# Altium PCB PCB.PcbDoc
Units mil, origin at the board's own origin, x right, y up, seen from the top; angles counter-clockwise.
Board outline 3937.01 x 3937.01 mil, 2 copper layers (Top Layer, Bottom Layer); 58 components, 43 nets, 226 pads, 94 vias.
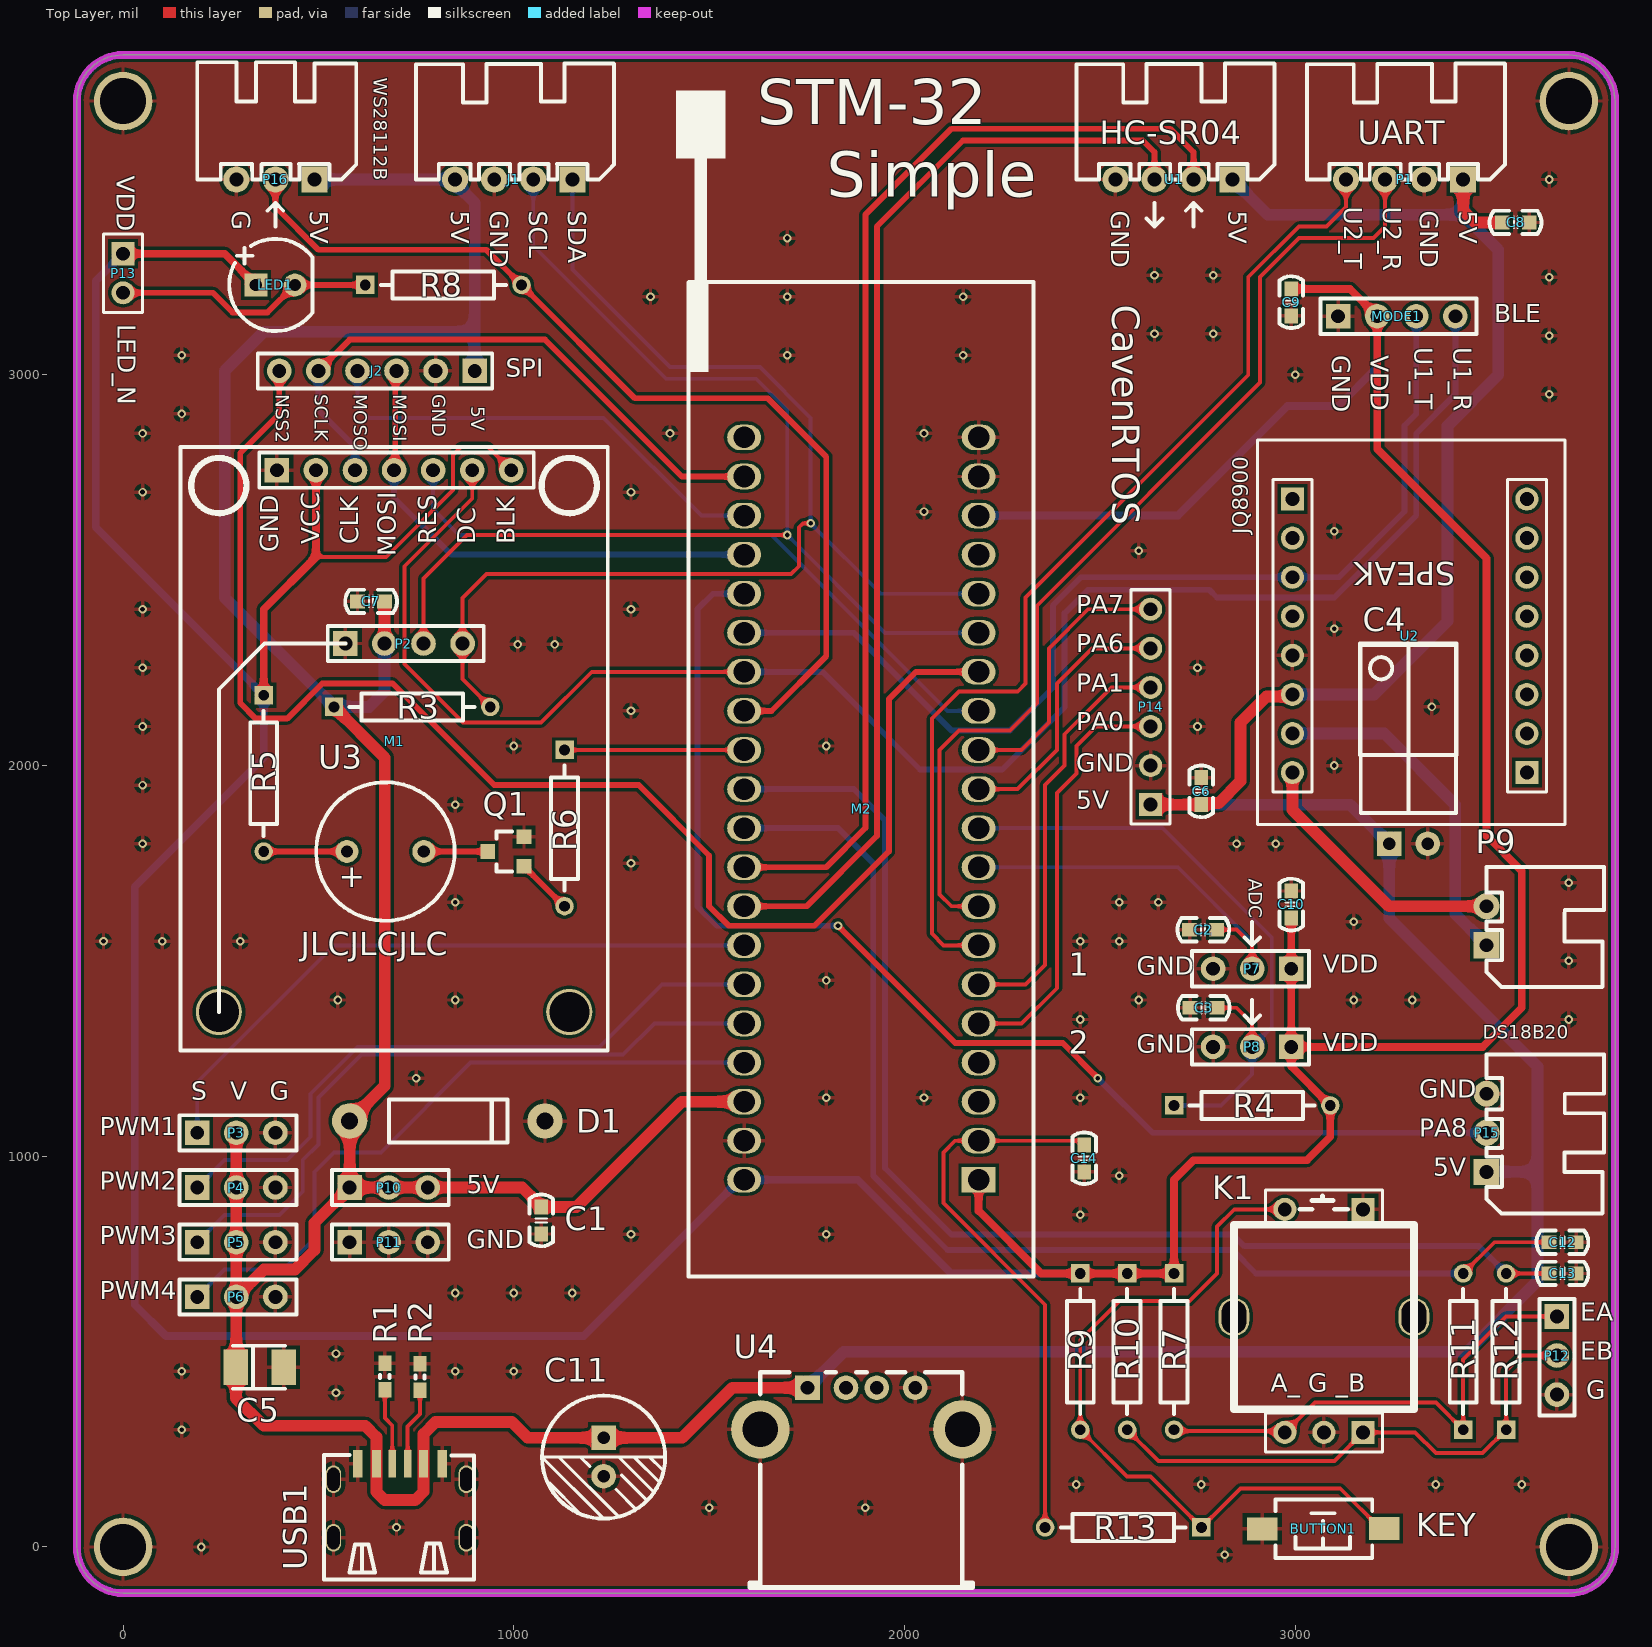
[diagram p0: Top Layer view]
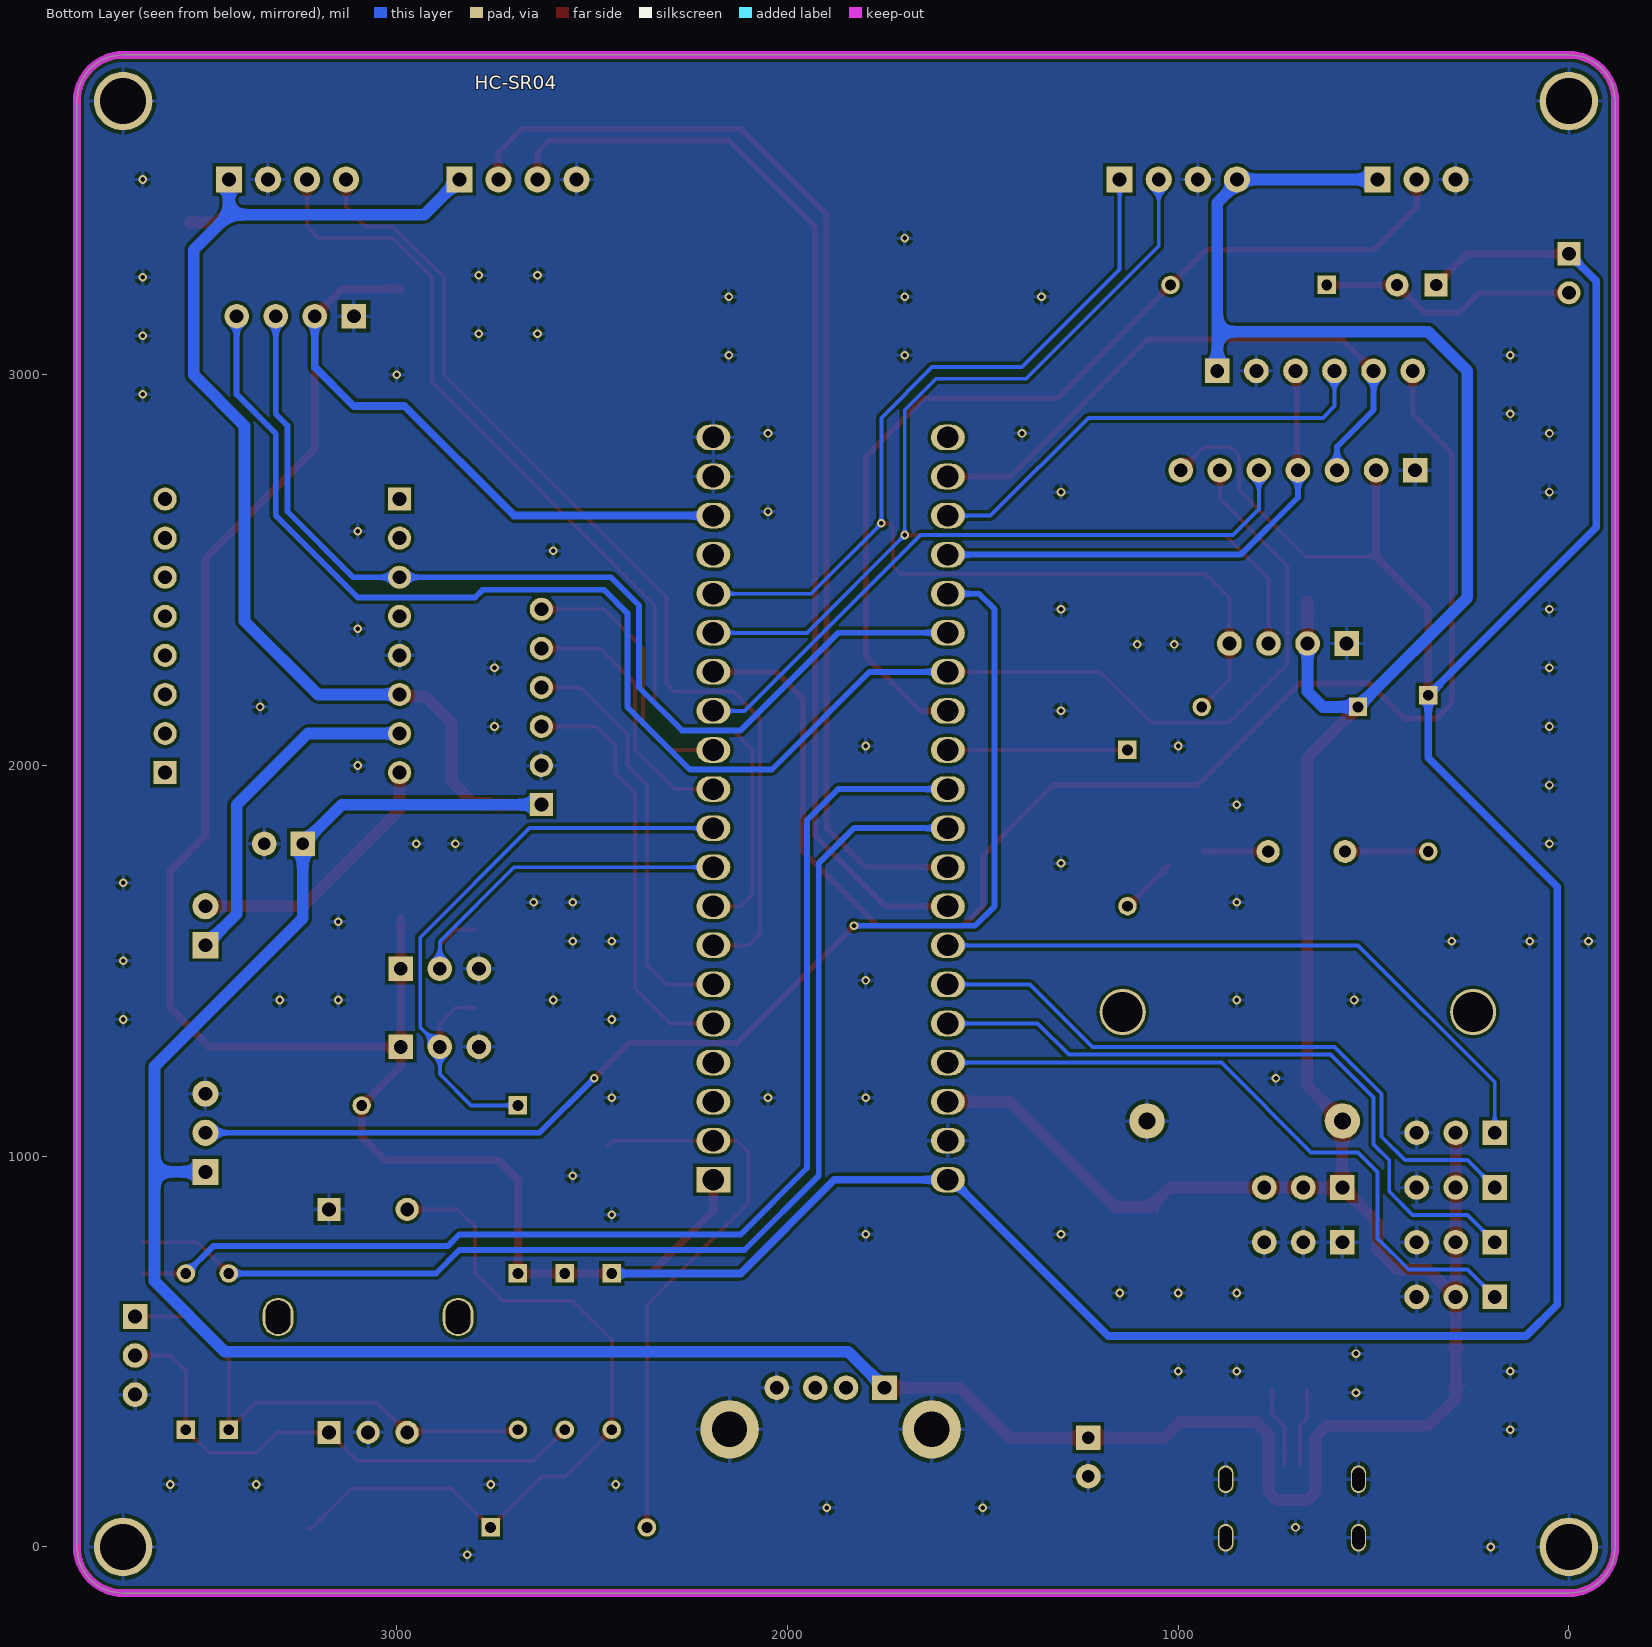
[diagram p1: Bottom Layer view, seen from below]

## Layer stack, top to bottom
Top Solder: solder mask 0.4, Solder Resist, Dk 3.5
Top Layer: signal copper 1.4
Dielectric 1: dielectric 12.6, FR-4, Dk 4.8
Bottom Layer: signal copper 1.4
Bottom Solder: solder mask 0.4, Solder Resist, Dk 3.5

## Board outline
-118.11,0 -118.11,3700.79 cw(c0,3700.79) 0,3818.9 3700.79,3818.9 cw(c3700.79,3700.79) 3818.9,3700.79 3818.9,0 cw(c3700.79,0) 3700.79,-118.11 0,-118.11 cw(c0,0)

## Design rules (kind name [scope] priority, off if disabled: settings)
Clearance [All] p1: gap=8 ignorepadtopadclearanceinfootprint=TRUE
Height [All] p1: minheight=0 maxheight=2000 prefheight=10
HoleSize [All] p1: absolutevalues=TRUE maxlimit=196.85 minlimit=0.98 maxpercent=80.000 minpercent=20.000
HoleToHoleClearance [All] p1: gap=8 allowstackedmicrovias=TRUE
MinimumSolderMaskSliver [All] p1: minsoldermaskwidth=4
PolygonConnect [All] p1: connectstyle=Relief reliefconductorwidth=10 reliefentries=4 polygonreliefangle="90 Angle" airgapwidth=10
RoutingVias [All] p1: holewidth=12 width=20 viastyle="Through Hole" minholewidth=12 minwidth=20 maxholewidth=28 maxwidth=50
SilkToSilkClearance [All] p1: silktosilkclearance=0
SilkToSolderMaskClearance [IsPad] p1: minsilkscreentomaskgap=0 clearancetoexposedcopper=TRUE
SolderMaskExpansion [All] p1: expansion=4 istentingtop=FALSE
Width [All] p1: maxlimit=60 minlimit=8 preferedwidth=10
24 further rules are at their usual default settings.

## Components (designator, comment, footprint, x,y, rotation, side; value= is the part's Value field where it differs from the comment)
BUTTON1 "BUTTON" KEY-A 3070.87,47.24 r180 top
C1 "100NF" CAP_0603 1070,801 r90 top
C2 "100NF" CAP_0603 2730,1580 r0 top
C3 "100NF" CAP_0603 2731,1380 r0 top
C4 "220UF" CAP_PR_2.5_6.3_RA 3290,1800 r0 top
C5 "100UF" CAP_3528_B 350,460 r180 top
C6 "100NF" CAP_0603 2760,1969 r270 top
C7 "100NF" CAP_0603 600,2420 r0 top
C8 "100NF" CAP_0603 3599,3390 r180 top
C9 "100NF" CAP_0603 2990,3151 r90 top
C10 "100NF" CAP_0603 2990,1679 r270 top
C11 "220UF" CAP_PR_2.5_8 1230,230 r270 top
C12 "10NF" CAP_0603 3719,780 r180 top
C13 "10NF" CAP_0603 3719,700 r180 top
C14 "10NF" CAP_0603 2460,960 r90 top
D1 "RL207" Diode_DO15 830,1090 r180 top
J1 "IIC" XH2.54-WI-4P 1000,3500 r180 top
J2 "SPI" "Header 2.54X6" 650,3010 r180 top
K1 "EC11" EC-11 3070.87,590.55 r0 top locked
LED1 "LED_R/G/B/Y" LED_5MM 390,3230 r0 top
M1 "ST7899 1.3寸模块" LCD-1.3_mode 393.7,2755.91 r0 top locked
M2 "STM32F103C8t6最小系统板" STM32F103C8_mode 1889.76,1889.76 r180 top locked
MODE1 "BLE/SPP" "Header 2.54X4" 3260,3150 r0 top
P1 "UART" XH2.54-WI-4P 3280,3500 r180 top
P2 "Header 4H" "Header 2.54X4" 719,2312.3 r0 top
P3 "Header3" "Header 2.54X3" 290,1060 r0 top
P4 "Header3" "Header 2.54X3" 290,920 r0 top
P5 "Header3" "Header 2.54X3" 290,780 r0 top
P6 "Header3" "Header 2.54X3" 290,640 r0 top
P7 "Header 3" "Header 2.54X3" 2890,1480 r180 top
P8 "Header 3" "Header 2.54X3" 2890,1280 r180 top
P9 "OUT" XH2.54-WI-2P 3490,1590 r90 top
P10 "Header 3" "Header 2.54X3" 680,920 r0 top
P11 "Header 3" "Header 2.54X3" 680,780 r0 top
P12 "Header 3" "Header 2.54X3" 3670,490 r270 top
P13 "Header 2" HDR1X2 -0.29,3309.62 r270 top
P14 "Header 6" HDR1X6 2630,1900 r90 top
P15 "Header 3" XH2.54-WI-3P 3490,1060 r90 top
P16 "Header 3" XH2.54-WI-3P 390,3500 r180 top
Q1 "NPN" SOT23_3 980,1780 r0 top
R1 "5.1K" RESC_0603_1 670,436.26 r90 top
R2 "5.1K" RESC_0603_1 760,435 r90 top
R3 "10K" RES_0.4_1/4W 740,2150 r0 top
R4 "XK" RES_0.4_1/4W 2890,1130 r0 top
R5 "10R" RES_0.4_1/4W 360,1980 r270 top
R6 "1K" RES_0.4_1/4W 1130,1840 r270 top
R7 "10K" RES_0.4_1/4W 2690,500 r270 top
R8 "1K" RES_0.4_1/4W 820,3230 r0 top
R9 "10K" RES_0.4_1/4W 2450,500 r270 top
R10 "10K" RES_0.4_1/4W 2570,500 r270 top
R11 "1K" RES_0.4_1/4W 3430,500 r90 top
R12 "1K" RES_0.4_1/4W 3540,500 r90 top
R13 "1K" RES_0.4_1/4W 2560,50 r180 top
U1 "HC-SR04" XH2.54-WI-4P 2690,3500 r180 top
U2 "JQ8900" SpkMo 3290,2480 r0 top
U3 "BEE" BEE-FMQ5mm 573.15,1780 r0 top
U4 "USB-OUT" USB_BA 1889.76,354.33 r270 top locked
USB1 "Type_c" USB-TYPE_6P 708.66,118.11 r0 top locked

## Footprints (in the part's own frame and the unit in brackets; to place one, negate y for a bottom-side part, rotate by r counter-clockwise, add the part's x,y. Pads: shape width x height; smd on the part's side, far side on the other; paste and mask are expansions set on the pad)
BEE-FMQ5mm [mm]
  round 1.5 hole 0.8: 1(0,0) 2(5,0)
  silkscreen extent -2,-4.5 7,4.5, body extent -2,-4.5 7,4.5, height 4.5
CAP_0603 [mil]
  rect 38x35 smd: 1(0,0) 2(69,0)
  silkscreen extent -31,-30 101,30, body extent 4,-16 67,16, height 12
CAP_3528_B [mm]
  rect 1.6x2.3 smd: 1(1.55,0) 2(-1.55,0)
  silkscreen extent -1.65,-1.4 1.75,1.4, body extent -1.75,-1.4 1.75,1.4, height 1.9
CAP_PR_2.5_6.3_RA [mm] "6.3X11"
  rect 1.6x1.6 hole 0.8: 1(-1.25,0)
  round 1.6 hole 0.8: 2(1.25,0)
  silkscreen extent -3.1,2 3.1,12.9, body extent -3.18,-0.3 3.18,13.02, height 6.38
CAP_PR_2.5_8 [mm] "8X12"
  rect 1.6x1.6 hole 0.8: 1(-1.25,0)
  round 1.6 hole 0.8: 2(1.25,0)
  silkscreen extent -4,-4 4,4, body extent -4.08,-4.06 4.05,4.06, height 12.3
Diode_DO15 [mm]
  round 2.3 hole 1.1: 1(6.35,0) 2(-6.35,0)
  silkscreen extent -3.9,-1.4 3.8,1.4, body extent -6.73,-1.76 6.83,1.8, height 3.58
EC-11 [mm]
  oval 2x2.5 hole 2.2 slot 1.6 at 0 deg: 0(-5.782,-0.051) 0(5.918,-0.051)
  round 1.5 hole 0.9: 1(-2.472,-7.551) 2(-2.472,6.949) 5(0.068,-7.551)
  rect 1.5x1.5 hole 0.9: 3(2.608,6.949) 4(2.608,-7.551)
  silkscreen extent -5.78,-8.82 5.92,8.22, body extent -6.92,-7.75 7.07,6.5, height 20.05
HDR1X2 [mm]
  rect 1.5x1.5 hole 0.9: 1(-0.01,0.007)
  round 1.5 hole 0.9: 2(2.53,0.007)
  silkscreen extent -1.28,-1.26 3.8,1.28, body extent -1.28,-1.26 3.8,1.28, height 8.41
HDR1X6 [mm] "Connector; Header; 6 Position"
  rect 1.5x1.5 hole 0.9: 1(0,0)
  round 1.5 hole 0.9: 2(2.54,0) 3(5.08,0) 4(7.62,0) 5(10.16,0) 6(12.7,0)
  silkscreen extent -1.27,-1.27 13.97,1.27, body extent -1.37,-1.27 13.87,1.27, height 8.54
"Header 2.54X3" [mm]
  rect 1.6x1.6 hole 0.9: 1(-2.54,0)
  round 1.6 hole 0.9: 2(0,0) 3(2.54,0)
  silkscreen extent -3.68,-1.14 3.9,1.14, body extent -3.68,-1.23 3.94,1.27, height 8.3
"Header 2.54X4" [mm]
  rect 1.6x1.6 hole 0.9: 1(-3.81,0)
  round 1.6 hole 0.9: 2(-1.27,0) 3(1.27,0) 4(3.81,0)
  silkscreen extent -4.95,-1.14 5.19,1.14, body extent -4.95,-1.23 5.21,1.27, height 8.3
"Header 2.54X6" [mm]
  rect 1.6x1.6 hole 0.9: 1(-6.35,0)
  round 1.6 hole 0.9: 2(-3.81,0) 3(-1.27,0) 4(1.27,0) 5(3.81,0) 6(6.35,0)
  silkscreen extent -7.49,-1.14 7.75,1.14, body extent -7.49,-1.23 7.75,1.27, height 8.3
KEY-A [mm]
  rect 2x1.5 smd: 1(-3.996,0.005) 2(3.937,0.025)
  silkscreen extent -3.21,-1.87 3.09,1.93, body extent -4,-1.85 4,1.65, height 2.59
LCD-1.3_mode [mm]
  round 3 hole 2.6: 0(-3.77,-35.22) 0(19.01,-35.22)
  rect 1.6x1.6 hole 0.9: 1(0,0)
  round 1.6 hole 0.9: 2(2.54,0) 3(5.08,0) 4(7.62,0) 5(10.16,0) 6(12.7,0) 7(15.24,0)
  silkscreen extent -6.27,-37.72 21.51,1.5, body extent -6.47,-37.72 21.71,1.5, height 17.05
LED_5MM [mm]
  rect 1.5x1.5 hole 0.8: 1(-1.27,0)
  round 1.5 hole 0.8: 2(1.27,0)
  silkscreen extent -3,-3 2.4,3, body extent -3,-3 2.5,3, height 8.5
RES_0.4_1/4W [mm]
  rect 1.2x1.2 hole 0.7: 1(-5.08,0)
  round 1.2 hole 0.7: 2(5.08,0)
  silkscreen extent -4.06,-0.87 4.06,0.87, body extent -5.38,-1.25 5.38,1.27, height 2.56
RESC_0603_1 [mm]
  rect 1x0.85 smd: 1(-0.857,0) 2(0.857,0)
  silkscreen extent -0.1,-0.3 0.1,0.3, body extent -0.8,-0.4 0.8,0.4, height 0.38
SOT23_3 [mm]
  rect 0.95x0.95 smd: 1(1.175,-0.95) 2(1.175,0.95) 3(-1.175,0)
  silkscreen extent -0.6,-1.3 0.4,1.3, body extent -1.34,-1.5 1.3,1.5, height 1.08
SpkMo [mm]
  rect 1.5x1.5 hole 0.9: 1(-7.544,5.131) 9(7.696,-12.649)
  round 1.5 hole 0.9: 2(-7.544,2.591) 3(-7.544,0.051) 4(-7.544,-2.489) 5(-7.544,-5.029) 6(-7.544,-7.569) 7(-7.544,-10.109) 8(-7.544,-12.649) 10(7.696,-10.109) 11(7.696,-7.569) 12(7.696,-5.029) 13(7.696,-2.489) 14(7.696,0.051) 15(7.696,2.591) 16(7.696,5.131)
  silkscreen extent -9.81,-16.04 10.19,8.96, body extent -9.8,-16 10.26,9.58, height 14.79
STM32F103C8_mode [mm]
  rect 2.2x1.66 hole 1.4: 1(-7.62,24.13)
  oval 2.2x1.66 hole 1.4: 2(-7.62,21.59) 3(-7.62,19.05) 4(-7.62,16.51) 5(-7.62,13.97) 6(-7.62,11.43) 7(-7.62,8.89) 8(-7.62,6.35) 9(-7.62,3.81) 10(-7.62,1.27) 11(-7.62,-1.27) 12(-7.62,-3.81) 13(-7.62,-6.35) 14(-7.62,-8.89) 15(-7.62,-11.43) 16(-7.62,-13.97) 17(-7.62,-16.51) 18(-7.62,-19.05) 19(-7.62,-21.59) 20(-7.62,-24.13) 21(7.62,-24.13) 22(7.62,-21.59) 23(7.62,-19.05) 24(7.62,-16.51) 25(7.62,-13.97) 26(7.62,-11.43) 27(7.62,-8.89) 28(7.62,-6.35) 29(7.62,-3.81) 30(7.62,-1.27) 31(7.62,1.27) 32(7.62,3.81) 33(7.62,6.35) 34(7.62,8.89) 35(7.62,11.43) 36(7.62,13.97) 37(7.62,16.51) 38(7.62,19.05) 39(7.62,21.59) 40(7.62,24.13)
  silkscreen extent -11.2,-46.68 12.05,30.42, body extent -11.58,-46.77 12.28,30.42, height 25.5
USB-TYPE_6P [mm]
  oval 1x1.8 hole 0.8 slot 1.5 at 90 deg: A(-4.318,1.4) B(4.318,1.4) C(-4.318,-2.4) D(4.318,-2.4)
  rect 0.5x1.8 smd: A5(-0.498,2.4) B5(0.502,2.4)
  rect 0.6x1.8 smd: A9(1.532,2.4) A12(2.752,2.4) B9(-1.528,2.4) B12(-2.748,2.4)
  silkscreen extent -4.94,-5.11 4.82,2.97, body extent -4.47,-5 4.47,1.8, height 3.22
USB_BA [mm]
  rect 1.6x1.6 hole 0.9: 1(-1.355,-3.5)
  round 1.6 hole 0.9: 2(-1.355,-1) 3(-1.355,1) 4(-1.355,3.5)
  round 3.8 hole 2.3: 5(1.355,6.57) 6(1.355,-6.57)
  silkscreen extent -2.37,-7.25 11.64,7.25, body extent -2.3,-7.9 11.8,7.9, height 7.55
XH2.54-WI-2P [mm] "接插件，2P"
  rect 1.7x1.7 hole 0.9: 1(-1.27,0)
  round 1.7 hole 0.9: 2(1.27,0)
  silkscreen extent -3.99,-7.62 3.81,0, body extent -3.77,-7.35 3.77,0.35, height 5.73
XH2.54-WI-3P [mm] "接插件，3P"
  rect 1.7x1.7 hole 0.9: 1(-2.54,0)
  round 1.7 hole 0.9: 2(0,0) 3(2.54,0)
  silkscreen extent -5.26,-7.62 5.08,0, body extent -5.04,-7.35 5.04,0.35, height 5.73
XH2.54-WI-4P [mm] "接插件，4P"
  rect 1.7x1.7 hole 0.9: 1(-3.81,0)
  round 1.7 hole 0.9: 2(-1.27,0) 3(1.27,0) 4(3.81,0)
  silkscreen extent -6.53,-7.53 6.35,0, body extent -6.31,-7.35 6.31,0.35, height 5.73

## Part data
C1 C2 C3 C6 C7 C8 C9 C10 C12 C13 C14: library part CAP, "CAP  12~50V"
C4 C11: library part CAP_BIG, "CAP 12V ~ 50V   电解电容"
C5: library part CAP_TA, "CAP  6~12V  钽电容"
D1: library part Diode-DO, "Diode_肖特基/二极管  / 直插"
J1: "MLX90614 GY-906-BCC"
J2: "Heard"
K1: library part EN-CODE, "KEY"
LED1: library part LED, "LED"
M1: library part LCD_TFT_1.3_MODE, "SHOW"
M2: library part STM32F103C8_mode
MODE1: library part JDY-34, "BLE4.2"
P1: "Header XH2.54 弯针座 4PIN"
P2: "Header, 4-Pin, Right Angle", LatestRevisionDate=17-Jul-2002, LatestRevisionNote="Re-released for DXP Platform.", Publisher="Altium Limited"
P3 P4 P5 P6: library part PWM_D, "Header"
P7 P8 P10 P11 P12 P15 P16: "Header, 3-Pin", LatestRevisionDate=17-Jul-2002, LatestRevisionNote="Re-released for DXP Platform.", Publisher="Altium Limited"
P9: library part OUT_2PIN, "Header"
P13: "Header, 2-Pin", LatestRevisionDate=17-Jul-2002, LatestRevisionNote="Re-released for DXP Platform.", Publisher="Altium Limited"
P14: "Header, 6-Pin", LatestRevisionDate=17-Jul-2002, LatestRevisionNote="Re-released for DXP Platform.", Publisher="Altium Limited"
Q1: library part Triode-NPN
R1 R2: library part RES, Add into BOM=yes, Convert to PCB=yes, Device=Res_0603, Supplier Footprint=0603, Symbol=电阻
R3 R4 R5 R6 R7 R8 R9 R10 R11 R12 R13: library part RES_S, "RES 贴片"
U1: library part Ultrasonic, "Mode"
U2: library part SPKMO_8900, "MODE"
U3: library part BZZ
U4: "USB"
USB1: library part USB-Type_c-6PIn, "USB"

## Free pads (board coordinates)
  round 149.61 hole 118.11: 1(0,0) 1(0,3700.79) 1(3700.79,0) 1(3700.79,3700.79)

## Via types
v1: diameter 22, hole 12, Top Layer to Bottom Layer, tented both sides, 83 vias
v2: diameter 22, hole 12, Top Layer to Bottom Layer, 11 vias

## Nets (pads, with @x,y where several pads share a name; then routed paths per layer and width w, separated by ;. In a path a pad name is that pad's centre, name@x,y a point inside that pad or via, vN(x,y) a via of type N, cw(c..) or ccw(c..) an arc to the next point about the centre after c; other vN are vias at no path point)
+5: C1.2 C4.1 C5.1 C6.2 C7.2 C8.2 C11.1 D1.1 J1.4 J2.1 M2.38 P1.1 P2.2 P3.2 P4.2 P5.2 P6.2 P10.1 P10.2 P10.3 P14.1 P15.1 P16.1 R3.1 U1.1 U2.6 U4.1 USB1.A9 USB1.B9 | length 15519.6
  Top Layer w30: P3.2 P4.2 P5.2 P6.2 ; R3.1 670,2020 670,1180 D1.1 P10.1 ; P2.2 C7.2 ; M2.38 1429.76,1139.76 1160,870 C1.2 1070,871.5 1021.5,920 P10.3 P10.2 P10.1 ; U4.1 1559.66,407.68 1431.2,279.21 C11.1 1035.39,279.21 994.61,320 800,320 768.97,288.97 USB1.A9 768.97,141.5 747.47,120 670,120 648.5,141.5 USB1.B9 648.5,281.5 620,310 360,310 288.98,381.02 C5.1 289.49,460.51 289.49,639.49 P6.2 ; P14.1 C6.2 2760,1901.5 2762.5,1904 2804,1904 2860,1960 2860,2110 2926.44,2176.44 2987.44,2176.44 U2.6 ; P1.1 3430,3420 3460,3390 C8.2 ; P6.2 360,710 440,710 490,760 490,830 P10.1
  Bottom Layer w30: P16.1 J1.4 850,3490.01 900,3440.01 900,3110 ; D1.1 D1.1@580,1097.85 ; P2.2 669,2189 630,2150 R3.1 260,2430 260,3010 360,3110 900,3110 ; J2.1 900,3110 ; U4.1 1844.29,500 3440,500 3620,680 3620,960 ; P14.1 3140.79,1900 C4.1 3240.79,1609.21 3620,1230 3620,960 ; U1.1 2930,3410 3430,3410 ; U2.6 3202,2182 3390,2370 3390,2870 3520,3000 3520,3320 3430,3410 ; P1.1 3430,3410 ; P15.1 3620,960
ADC1: C2.2 M2.9 P7.2 | length 1016.4
  Top Layer w10: C2.2 2850,1580 2890,1540 P7.2
  Bottom Layer w10: M2.9 2700.24,1739.76 2890,1550 P7.2
ADC2: C3.2 M2.10 P8.2 R4.1 | length 1636.5
  Top Layer w10: C3.2 2850,1380 2890,1340 P8.2
  Bottom Layer w10: M2.10 2660.24,1839.76 2940,1560 2940,1330 P8.2 2890,1210 2810,1130 R4.1
BZZ: M2.29 R6.1 | length 459.9
  Top Layer w10: R6.1 1130.24,2039.76 M2.29
CC1: R1.1 USB1.A5 | length 197.8
  Top Layer w10: R1.1 670,330 689.05,310.95 USB1.A5
CC2: R2.1 USB1.B5 | length 201.7
  Top Layer w10: USB1.B5 728.42,308.42 760,340 R2.1
D/C: M1.6 M2.27 MODE1.4 | length 4355
  Top Layer w10: M1.6 893.7,2683.7 720,2510 720,2260 870,2110 1070,2110 1199.76,2239.76 M2.27
  Bottom Layer w15: M2.27 1790.24,2239.76 2040,1990 2250,1990 2410,2150 2410,2390 2470,2450 2780,2450 2800,2430 3100,2430 3310,2640 3310,2850 3410,2950 MODE1.4
DIR: M2.11 P14.5 | length 689
  Top Layer w10: M2.11 2289.76,1939.76 2390,2040 2390,2210 2480,2300 P14.5
DS18B20: M2.25 P15.2 | length 3156.5
  Top Layer w15: v1(1830,1590) 2130,1290 2405,1290 v1(2495,1200)
  Bottom Layer w15: M2.25 1509.76,2439.76 1470,2400 1470,1640 1520,1590 v1(1830,1590) ; v1(2495,1200) 2635,1060 P15.2
DV_N1: M2.5 P14.3 | length 1089
  Top Layer w10: M2.5 2299.76,1339.76 2390,1430 2390,1930 2440,1980 2440,2050 2490,2100 P14.3
DV_N2: M2.6 P14.4 | length 1071.5
  Top Layer w10: M2.6 2309.76,1439.76 2360,1490 2360,1950 2410,2000 2410,2080 2530,2200 P14.4
EA: K1.1 P12.1 R7.2 R11.1 | length 1269.1
  Top Layer w10: R7.2 2693.36,296.64 2970.19,296.64 K1.1 3050.28,370 3360,370 R11.1 3430,480 3540,590 P12.1
EB: K1.4 P12.2 R10.2 R12.1 | length 1377
  Top Layer w10: R10.2 2650,220 3100.28,220 K1.4 3306.72,293.28 3360,240 3480,240 R12.1 3540,450 3580,490 P12.2
Echo: M2.33 U1.3 | length 2858.4
  Top Layer w15: M2.33 1749.76,1639.76 1930,1820 1930,3380 2150,3600 2610,3600 2640,3570 U1.3
EN: BUTTON1.1 K1.2 R9.2 R13.1 | length 1928.1
  Top Layer w10: K1.2 2844.14,864.14 2800,820 2800,700 2730,630 2550,630 2450,530 R9.2 2570,180 2630,180 R13.1 2860,150 3115.36,150 3218.33,47.03 BUTTON1.1
EN2_A: C12.2 M2.31 R11.2 | length 3034.1
  Top Layer w10: R11.2 3510,780 C12.2
  Bottom Layer w15: M2.31 1830.24,1839.76 1920,1750 1920,950 2110,760 2840,760 2900,700 R11.2
EN2_B: C13.2 M2.30 R12.2 | length 3095.1
  Top Layer w10: R12.2 C13.2
  Bottom Layer w15: M2.30 1870.24,1939.76 1950,1860 1950,970 2120,800 2840,800 2870,770 3470,770 R12.2
GND: BUTTON1.2 C1.1 C2.1 C3.1 C4.2 C5.2 C6.1 C7.1 C8.1 C9.1 C10.1 C11.2 C12.1 C13.1 C14.1 D1.2 J1.3 J2.2 K1.3 K1.5 M1.1 M2.19 M2.20 M2.39 MODE1.1 P1.2 P2.1 P3.3 P4.3 P5.3 P6.3 P7.3 P8.3 P11.1 P11.2 P11.3 P12.3 P14.2 P15.3 P16.3 pad.1 Q1.2 R1.2 R2.2 U1.4 U2.5 U4.4 U4.5 U4.6 USB1.A USB1.A12 USB1.B USB1.B12 USB1.C USB1.D
  other v1: 200,0 700,50 150,300 545,395 150,450 850,450 1000,450 545,495 850,650 1000,650 1150,650 1300,800 2450,850 2550,950 1800,1150 2050,1150 2450,1150 750,1200 2450,1350 3700,1350 550,1400 850,1400 2600,1400 3150,1400 3300,1400 1800,1450 3700,1500 -50,1550 100,1550 300,1550 2450,1550 2550,1550 3150,1600 850,1650 2550,1650 2650,1650 3700,1700 1300,1750 50,1800 2850,1800 2950,1800 850,1900 50,1950 3100,2000 1000,2050 1800,2050 50,2100 2750,2100 3350,2150 50,2250 2750,2250 3100,2350 50,2400 1300,2400 2600,2550 3100,2600 2050,2650 50,2700 1300,2700 50,2850 1400,2850 2050,2850 150,2900 3650,2950 3000,3000 150,3050 1700,3050 2150,3050 3650,3100 2640,3105 2790,3105 1350,3200 1700,3200 2150,3200 3650,3250 2640,3255 2790,3255 1700,3350 3650,3500
  other v2: 2820,-20 1500,100 1900,100 2440,160 2760,160 3360,160 3580,160 1800,800 1300,2140 1010,2310 1104.56,2310.02
KEY: C14.2 M2.2 R13.2 | length 1444.5
  Top Layer w10: R13.2 2360,620 2100,880 2100,1010 2129.76,1039.76 2449.24,1039.76 C14.2
LCD_RES: M1.5 M2.13 | length 1709.6
  Bottom Layer w10: M1.5 793.7,2656.3 860,2590 1660,2590 2110.24,2139.76 M2.13
LED: M2.28 P16.2 R8.2 | length 2523.4
  Top Layer w15: P16.2 390,3430 500,3320 930,3320 R8.2 1310,2940 1650,2940 1800,2790 1800,2280 1659.76,2139.76 M2.28
LED_N: LED1.2 P13.2 R8.1 | length 669.7
  Top Layer w15: P13.2 230,3210 280,3160 370,3160 LED1.2 R8.1
MISO: J2.4 M2.23 | length 1195.8
  Bottom Layer w10: J2.4 600,2920 630,2890 1230,2890 1480.24,2639.76 M2.23
MOSI: J2.3 M1.4 M2.24 | length 1292
  Top Layer w15: M1.4 696.85,2759.06 696.85,3006.85 J2.3
  Bottom Layer w15: M1.4@696.85,2759.06 M1.4 693.7,2686.3 840.24,2539.76 M2.24 ; J2.3@696.85,3006.85 J2.3
NetQ1_1: Q1.1 R6.2 | length 146.2
  Top Layer w15: Q1.1 1128.86,1640 R6.2
NetQ1_3: Q1.3 U3.2 | length 163.7
  Top Layer w15: U3.2 Q1.3
NetR5_2: R5.2 U3.1 | length 213.1
  Top Layer w15: R5.2 U3.1
NSS2: J2.6 M2.14 | length 3665.6
  Top Layer w15: J2.6 400,2900 300,2800 300,2160 340,2120 420,2120 510,2210 690,2210 950,1950 1320,1950 1500,1770 1500,1640 1550,1590 1770,1590 1960,1780 1960,2170 2029.76,2239.76 M2.14
PWM1: M2.34 P3.1 | length 1674.6
  Bottom Layer w10: P3.1 190,1190 539.76,1539.76 M2.34
PWM2: M2.35 P4.1 | length 1679.5
  Bottom Layer w10: P4.1 260,990 420,990 480,1050 480,1160 600,1280 1220,1280 1379.76,1439.76 M2.35
PWM3: M2.36 P5.1 | length 1748.8
  Bottom Layer w10: P5.1 260,850 400,850 460,910 460,990 500,1030 500,1150 610,1260 1280,1260 1359.76,1339.76 M2.36
PWM4: M2.37 P6.1 | length 1747.8
  Bottom Layer w10: P6.1 260,710 410,710 490,790 490,960 540,1010 660,1010 889.76,1239.76 M2.37
SCL: J1.2 M2.15 P2.3 | length 3051.1
  Top Layer w10: P2.3 769,2479 880,2590 v1(1700,2590)
  Bottom Layer w10: J1.2 1050,3330 1390,2990 1620,2990 1700,2910 v1(1700,2590) 1950.24,2339.76 M2.15
SCLK: J2.5 M1.3 M2.22 | length 1560.9
  Top Layer w15: J2.5 580,3090 1080,3090 1430.24,2739.76 M2.22
  Bottom Layer w15: J2.5 500,2910 593.7,2816.3 M1.3
SDA: J1.1 M2.16 P2.4 R3.2 | length 3108.9
  Top Layer w10: R3.2 869,2221 P2.4 869,2429 930,2490 1710,2490 1730,2510 1730,2610 1740,2620 v1(1760,2620)
  Bottom Layer w10: J1.1 1150,3270 1400,3020 1630,3020 1760,2890 v1(1760,2620) 1940.24,2439.76 M2.16
SPK+: P9.2 U2.8 | length 694.3
  Top Layer w30: U2.8 2993,1887 3240,1640 P9.2
SPK-: P9.1 U2.7 | length 885.5
  Bottom Layer w30: U2.7 3228,2082 3410,1900 3410,1620 P9.1
STEP_DIR: M2.12 P14.6 | length 700.8
  Top Layer w10: M2.12 2299.76,2039.76 2370,2110 2370,2300 2470,2400 P14.6
Trig: M2.32 U1.2 | length 2947.7
  Top Layer w15: M2.32 1799.76,1739.76 1900,1840 1900,3410 2120,3630 2680,3630 2740,3570 U1.2
U1_TX: M2.26 MODE1.3 U2.3 | length 2661.1
  Bottom Layer w15: M2.26 1870.24,2339.76 2120,2090 2270,2090 2380,2200 2380,2410 2452,2482 U2.3 3112,2482 3280,2650 3280,2870 3310,2900 MODE1.3
U2_RX: M2.8 P1.3 | length 2601.9
  Top Layer w10: M2.8 2120.24,1639.76 2090,1670 2090,2040 2140,2090 2270,2090 2340,2160 2340,2410 2910,2980 2910,3250 3010,3350 3200,3350 3230,3380 P1.3
U2_TX: M2.7 P1.4 | length 2630.2
  Top Layer w10: M2.7 2100.24,1539.76 2070,1570 2070,2120 2140,2190 2290,2190 2310,2210 2310,2430 2880,3000 2880,3250 3010,3380 3080,3380 3130,3430 P1.4
VDD: C9.2 C10.2 LED1.1 M1.2 M1.7 M2.1 M2.18 M2.40 MODE1.2 P7.1 P8.1 P13.1 R4.2 R5.1 R7.1 R9.1 R10.1 | length 13494.5
  Top Layer w10: 493.7,2533.7 673.7,2533.7 845,2705 845,2795 865,2815 934.61,2815 M1.7
  Top Layer w20: P13.1 260,3310 LED1.1 ; R5.1 360,2400 493.7,2533.7 M1.2 ; M2.1 2189.76,860.24 2350,700 R9.1 R10.1 R7.1 2690,940 2740,990 3030,990 3090,1050 R4.2 2990,1230 P8.1 ; C10.2 P7.1 P8.1 ; C9.2 3140,3220 MODE1.2 3210,2810 3490,2530 3490,1820 3580,1730 3580,1380 3480,1280 P8.1
  Bottom Layer w20: P13.1 -70,3240 -70,2610 R5.1 360,2020 30,1690 30,620 110,540 1179.37,540 1579.13,939.76 M2.40 1880.24,939.76 2120,700 R9.1 ; M2.18 2699.76,2639.76 2980,2920 3110,2920 3210,3020 MODE1.2
pads on no net: K1.0 M1.0 M2.3 M2.4 M2.17 M2.21 U2.1 U2.2 U2.4 U2.9 U2.10 U2.11 U2.12 U2.13 U2.14 U2.15 U2.16 U4.2 U4.3

## Polygon pours and split planes (outlines as drawn)
GND on Top Layer "NONET_L-01_P-001" (solid, remove dead copper, pour order 0): -400,4200 4600,4200 4600,-500 -400,-500
GND on Bottom Layer "NONET_L-01_P-001" (solid, remove dead copper, pour order 1): -785.39,4210 4214.61,4210 4214.61,-490 -785.39,-490

## Keep-outs
Keep-Out Layer:
  the board outline again, w20

## Silkscreen, mask and mechanical layers (free items; w line width, h text height)
Top Overlay:
  lines w10: 245.28,1369.29 245.28,2195.28 362.3,2312.3 569,2312.3 ; 370,3420 390,3440 ; 390,3380 390,3440 ; 410,3420 390,3440 ; 2620,3400 2640,3380 ; 2640,3440 2640,3380 ; 2660,3400 2640,3380 ; 2720,3420 2740,3440 ; 2740,3380 2740,3440 ; 2760,3420 2740,3440 ; 2870,1360 2890,1340 ; 2870,1560 2890,1540 ; 2890,1400 2890,1340 ; 2890,1600 2890,1540 ; 2910,1360 2890,1340 ; 2910,1560 2890,1540
  text "WS28112B" at 629.56,3760 h59.06 r270
  text "VDD" at -31.26,3510 h80 r270
  text "U2_T" at 3110.73,3430 h80 r270
  text "U2_R" at 3210.73,3430 h80 r270
  text "G" at 264.41,3420 h80 r270
  text "5V" at 464.41,3420 h80 r270
  text "5V" at 824.41,3420 h80 r270
  text "GND" at 924.41,3420 h80 r270
  text "SCL" at 1024.41,3420 h80 r270
  text "SDA" at 1124.41,3420 h80 r270
  text "GND" at 2514.41,3420 h80 r270
  text "5V" at 2814.41,3420 h80 r270
  text "GND" at 3304.41,3420 h80 r270
  text "5V" at 3404.41,3420 h80 r270
  text "CavenRTOS" at 2509.11,3180 h120 r270
  text "LED_N" at -29.27,3129.93 h80 r270
  text "BLE" at 3510,3118.74 h80
  text "U1_T" at 3290.73,3070 h80 r270
  text "U1_R" at 3390.73,3070 h80 r270
  text "GND" at 3079.41,3050 h80 r270
  text "VDD" at 3178.74,3050 h80 r270
  text "SPI" at 980,2979.42 h78.74
  text "NSS2" at 379.56,2949.95 h59.06 r270
  text "SCLK" at 479.56,2950 h59.06 r270
  text "MOSO" at 579.56,2950 h59.06 r270
  text "MOSI" at 679.56,2950 h59.06 r270
  text "GND" at 779.56,2950 h59.06 r270
  text "5V" at 879.56,2920 h59.06 r270
  text "PA7" at 2440.07,2374.41 h80
  text "PA6" at 2440.07,2274.41 h80
  text "PA1" at 2440.07,2173.74 h80
  text "PA0" at 2440.07,2074.41 h80
  text "GND" at 2440,1969.41 h80
  text "5V" at 2440,1874.41 h80
  text "ADC" at 2869.56,1710 h59.06 r270
  text "JLCJLCJLC" at 455,1495.64 h100
  text "VDD" at 3070,1453.74 h80
  text "GND" at 2594.89,1449.29 h80
  text "1" at 2420,1443.43 h100
  text "DS18B20" at 3480,1289.56 h59.06
  text "VDD" at 3070,1253.74 h80
  text "GND" at 2594.89,1249.29 h80
  text "2" at 2420,1243.43 h100
  text "GND" at 3318.07,1134.41 h80
  text "S" at 175,1129.41 h80
  text "V" at 275,1128.74 h80
  text "G" at 375,1129.41 h80
  text "PWM1" at -59.61,1038.74 h80
  text "PA8" at 3318.14,1034.41 h80
  text "5V" at 3353.5,934.41 h80
  text "PWM2" at -59.61,898.74 h80
  text "5V" at 880,889.41 h80
  text "PWM3" at -59.61,759.41 h80
  text "GND" at 880,749.41 h80
  text "PWM4" at -59.61,618.74 h80
  text "EA" at 3730.07,563.74 h80
  text "EB" at 3730.07,463.74 h80
  text "G" at 3745,364.41 h80
  text "KEY" at 3310.09,8.43 h100
Bottom Overlay:
  text "HC-SR04" at 2800,3719.56 h59.06

## Dimensions
0,0 to 3700.79,0 on Mechanical 15
0,3700.79 to 0,0 on Mechanical 15

## Text inside footprints (layer, text, board x,y; h text height)
K1: Top Overlay "A_ G _B" at 2937.87,381.28 h80
M1: Top Overlay "GND" at 412.96,2545.98 h80 r90; Top Overlay "VCC" at 516.96,2565.91 h80 r90; Top Overlay "CLK" at 616.96,2565.98 h80 r90; Top Overlay "MOSI" at 712.96,2535.91 h80 r90; Top Overlay "RES" at 816.96,2565.91 h80 r90; Top Overlay "DC" at 916.96,2565.91 h80 r90; Top Overlay "BLK" at 1017.7,2565.91 h80 r90
M2: Top Overlay "STM-32" at 1623.29,3602.85 h196.85; Top Overlay "Simple" at 1801.24,3417.38 h196.85
U2: Top Overlay "SPEAK" at 3410.17,2539.07 h100 r180
U3: Top Overlay "+" at 552.15,1689 h59.06